# Altium PCB CF_PCB.PcbDoc (part 1 of 2)
Units mil, origin at the board's own origin, x right, y up, seen from the top; angles counter-clockwise.
Board outline 2995 x 2700 mil, 10 copper layers (S1, GND1, S2, GND2, 1V8, SplittedPower, GND3, S3, GND4, S4), stack 61 mil thick; 201 components, 133 nets, 1054 pads, 599 vias.
Unrouted connection lines stored in the file: 125.
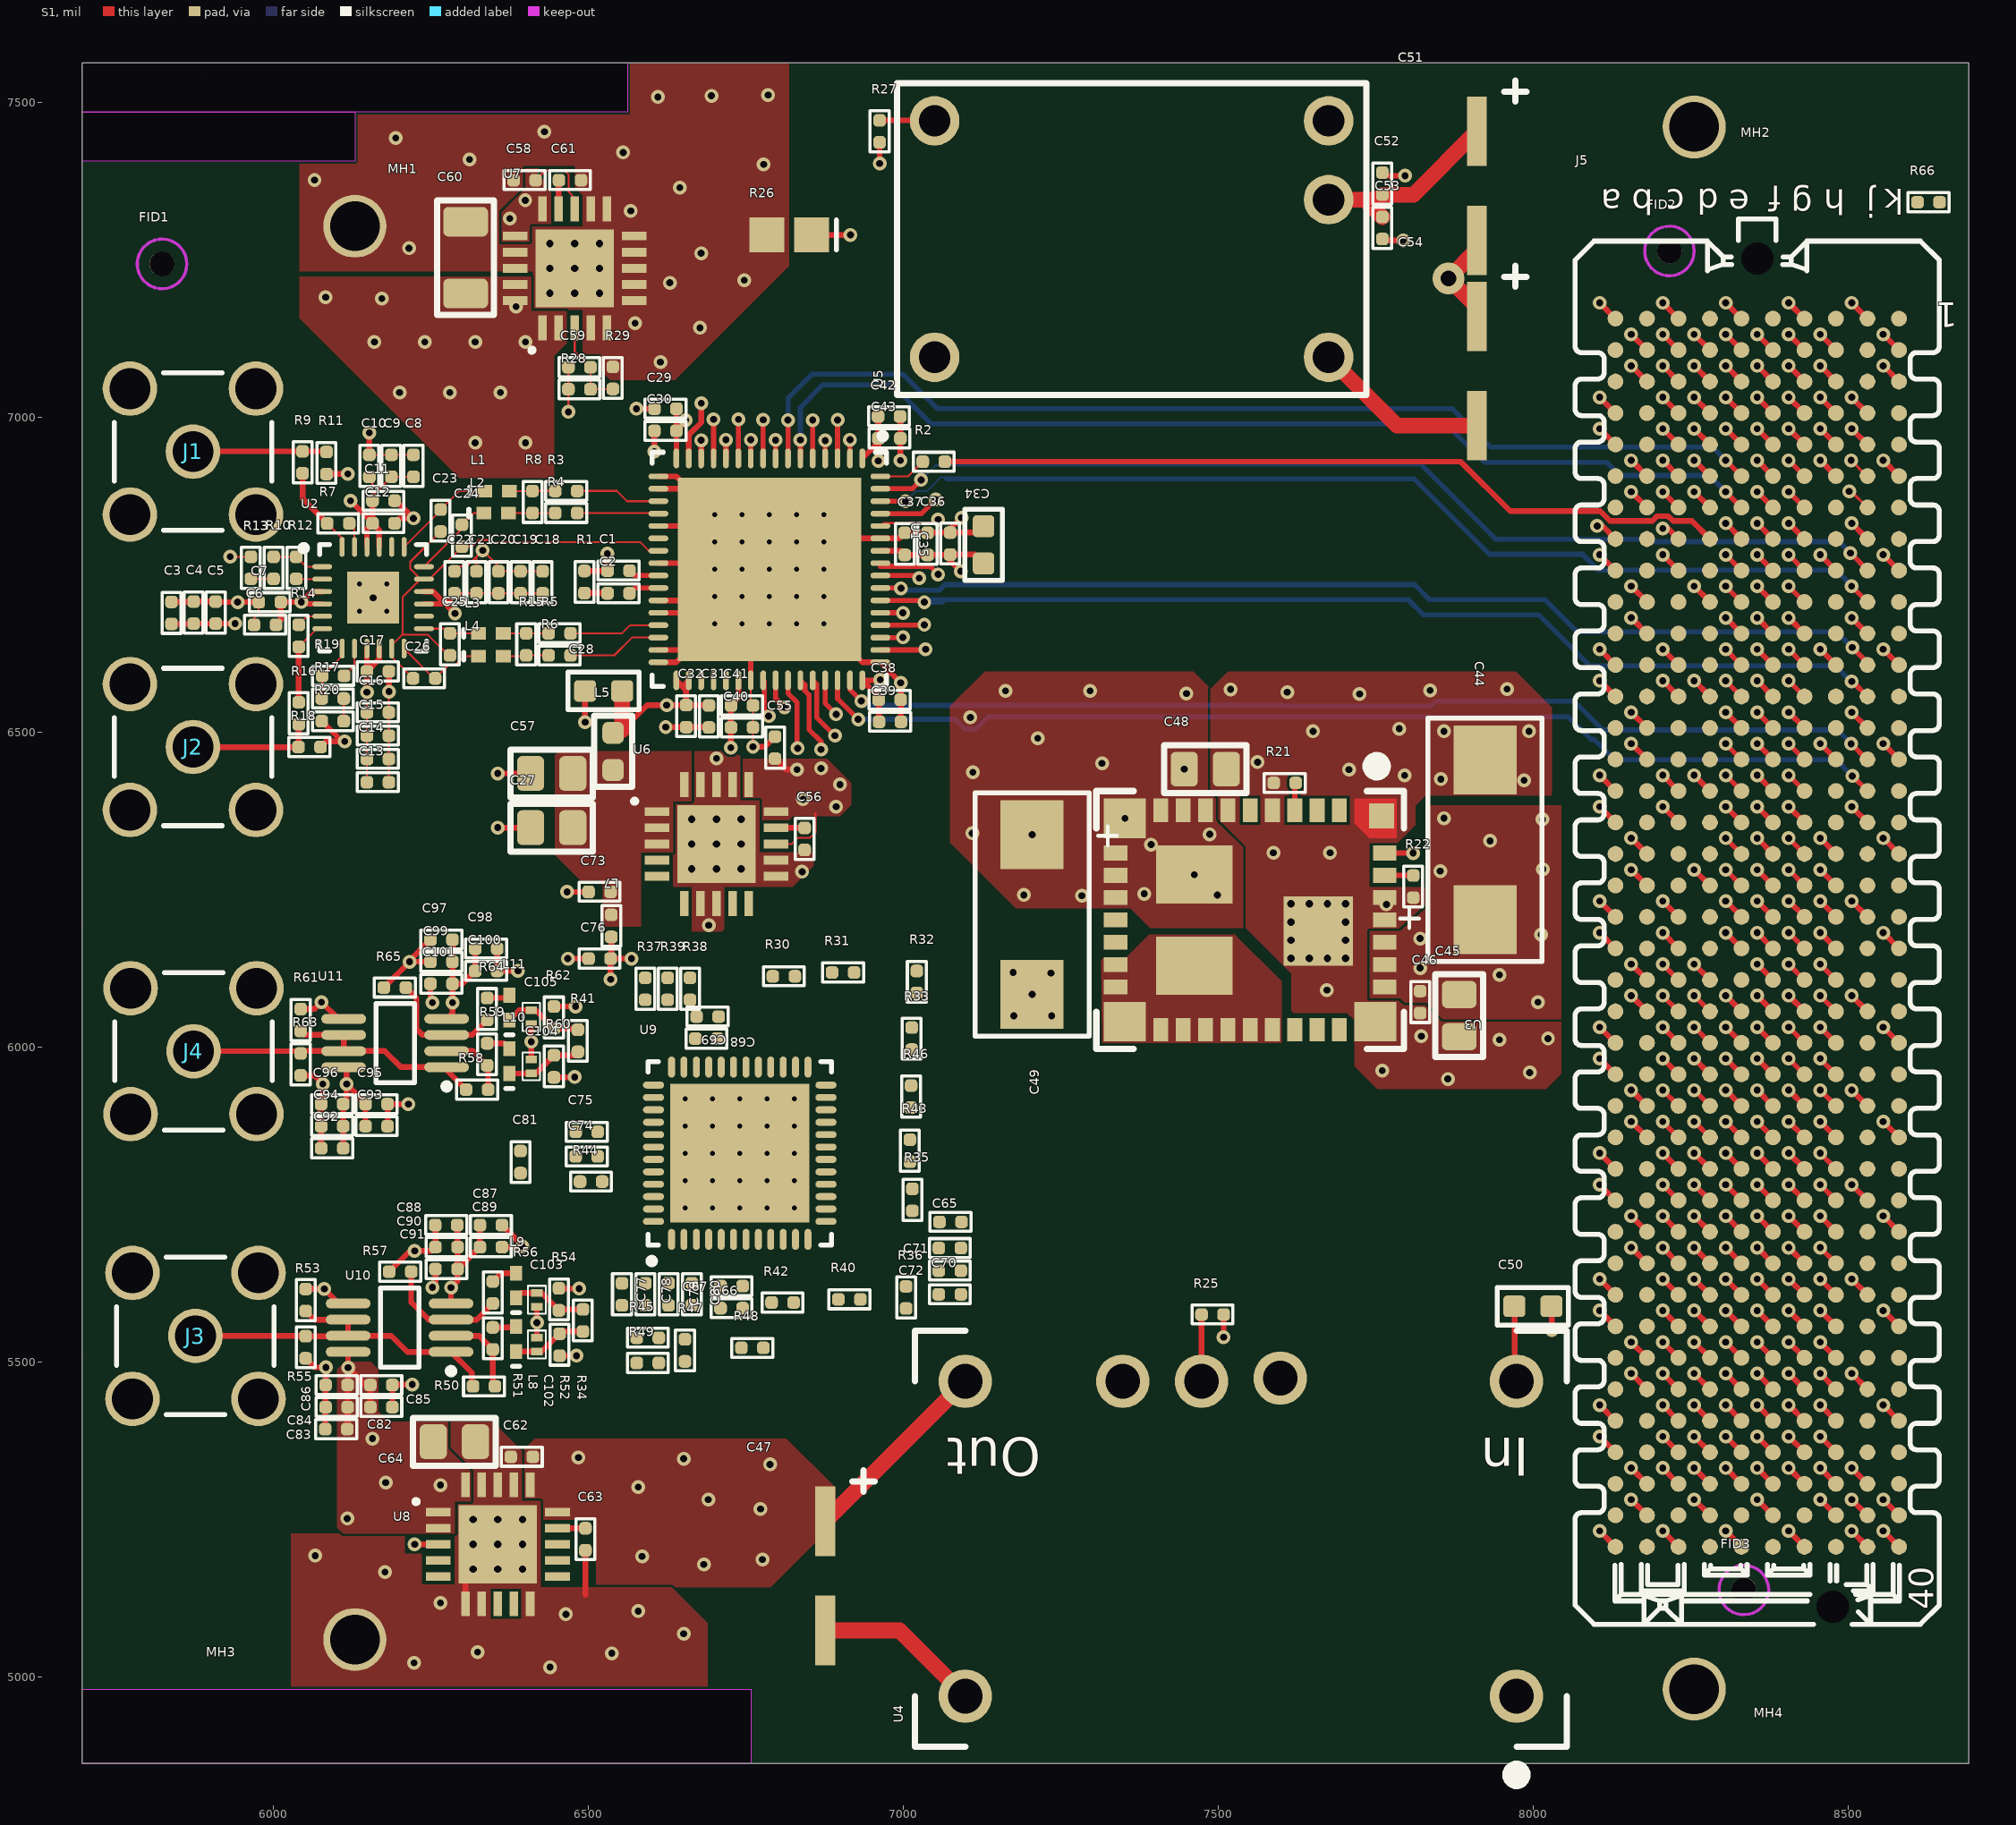
[diagram p0: S1 view]
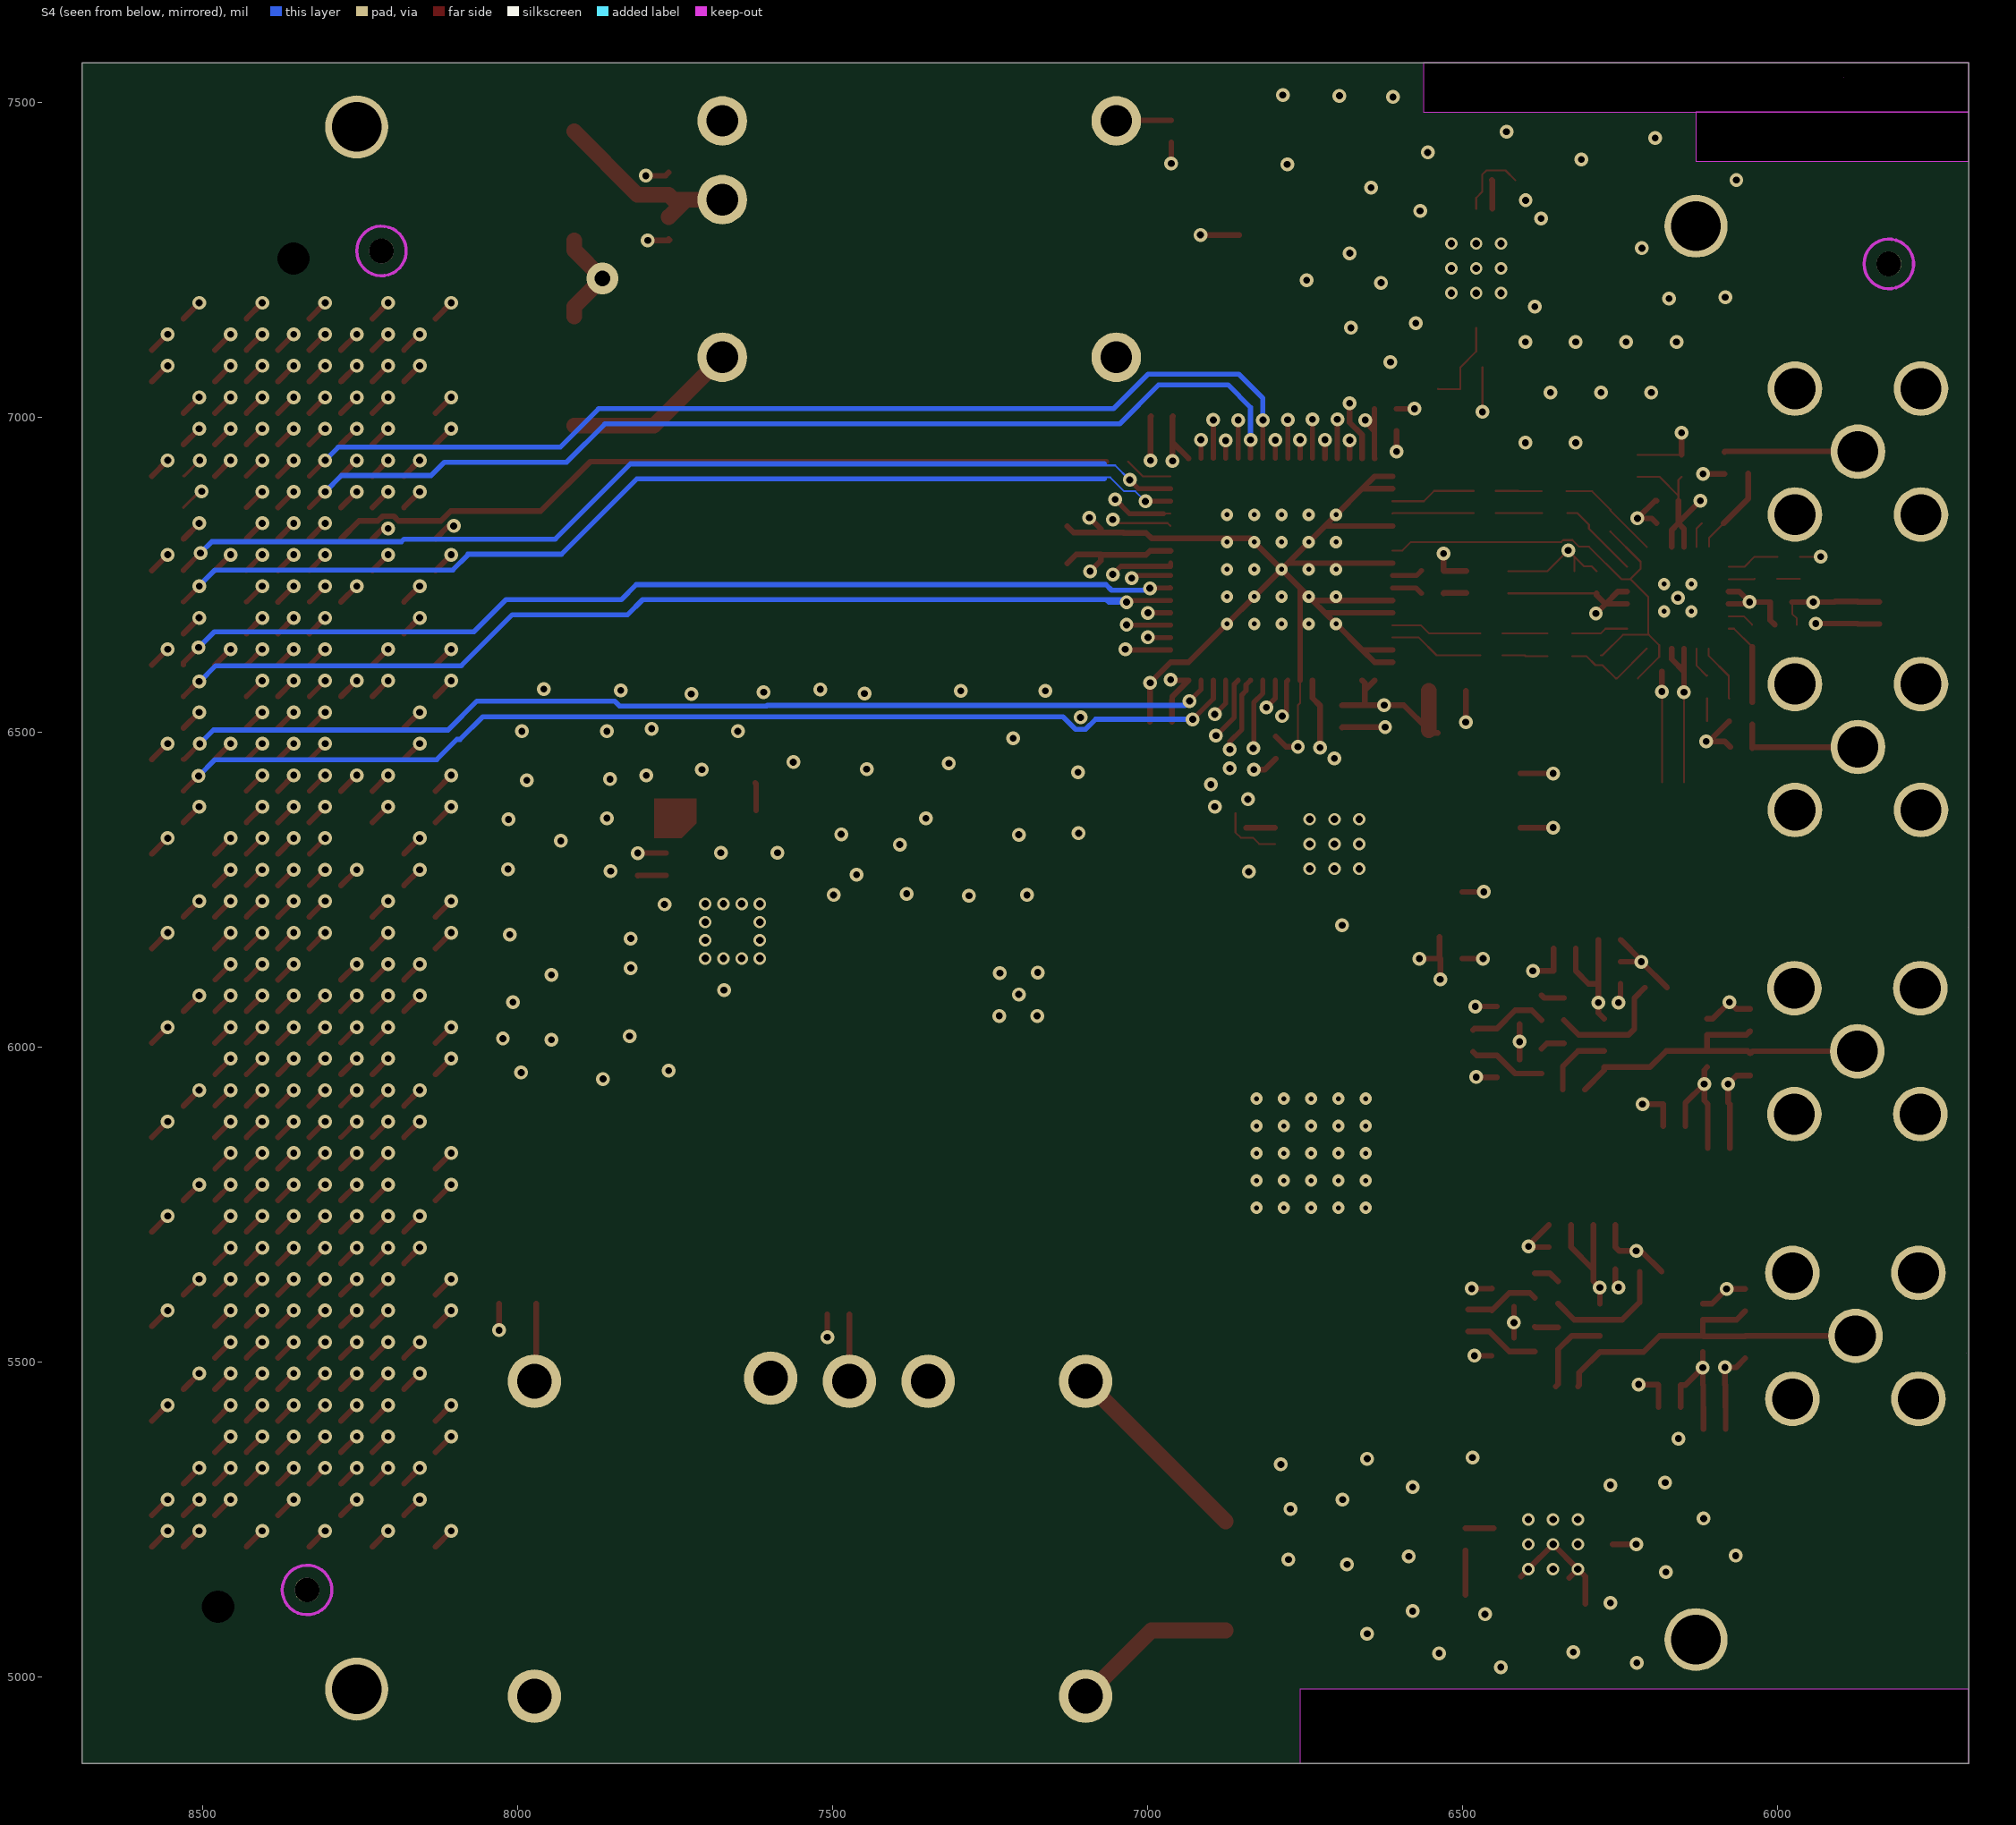
[diagram p1: S4 view, seen from below]
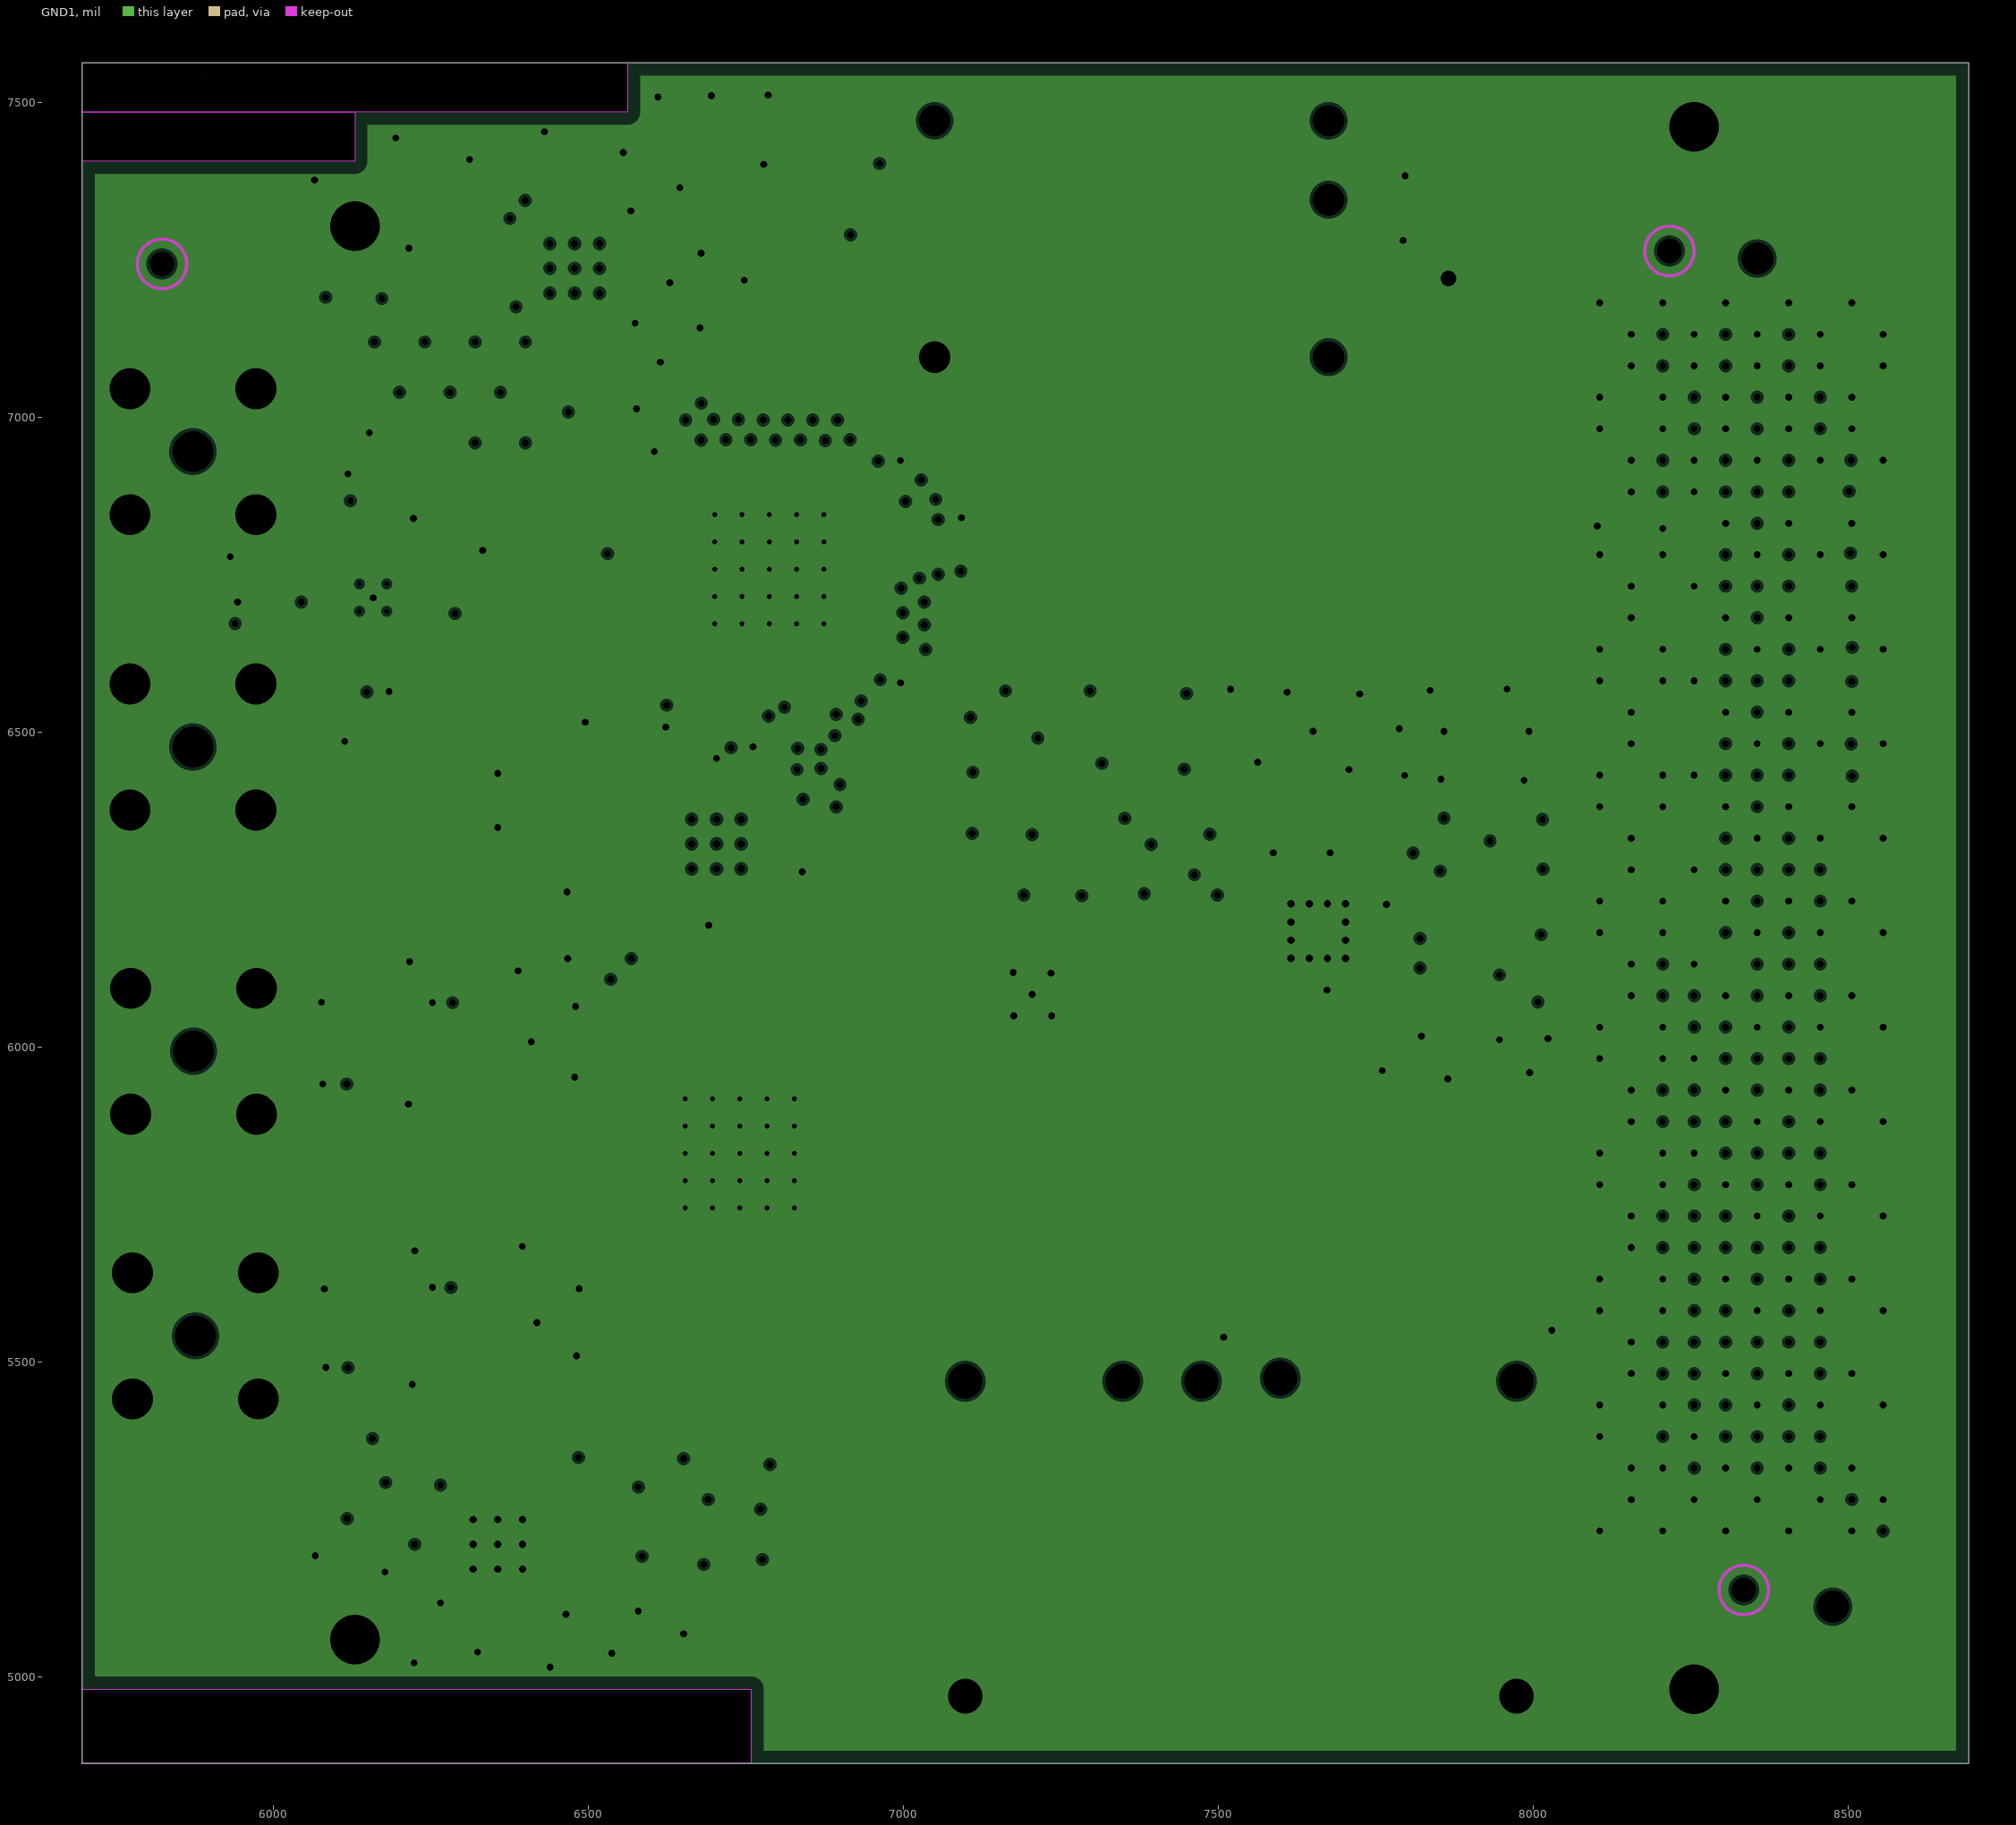
[diagram p2: GND1, clearances drawn from the general rule]
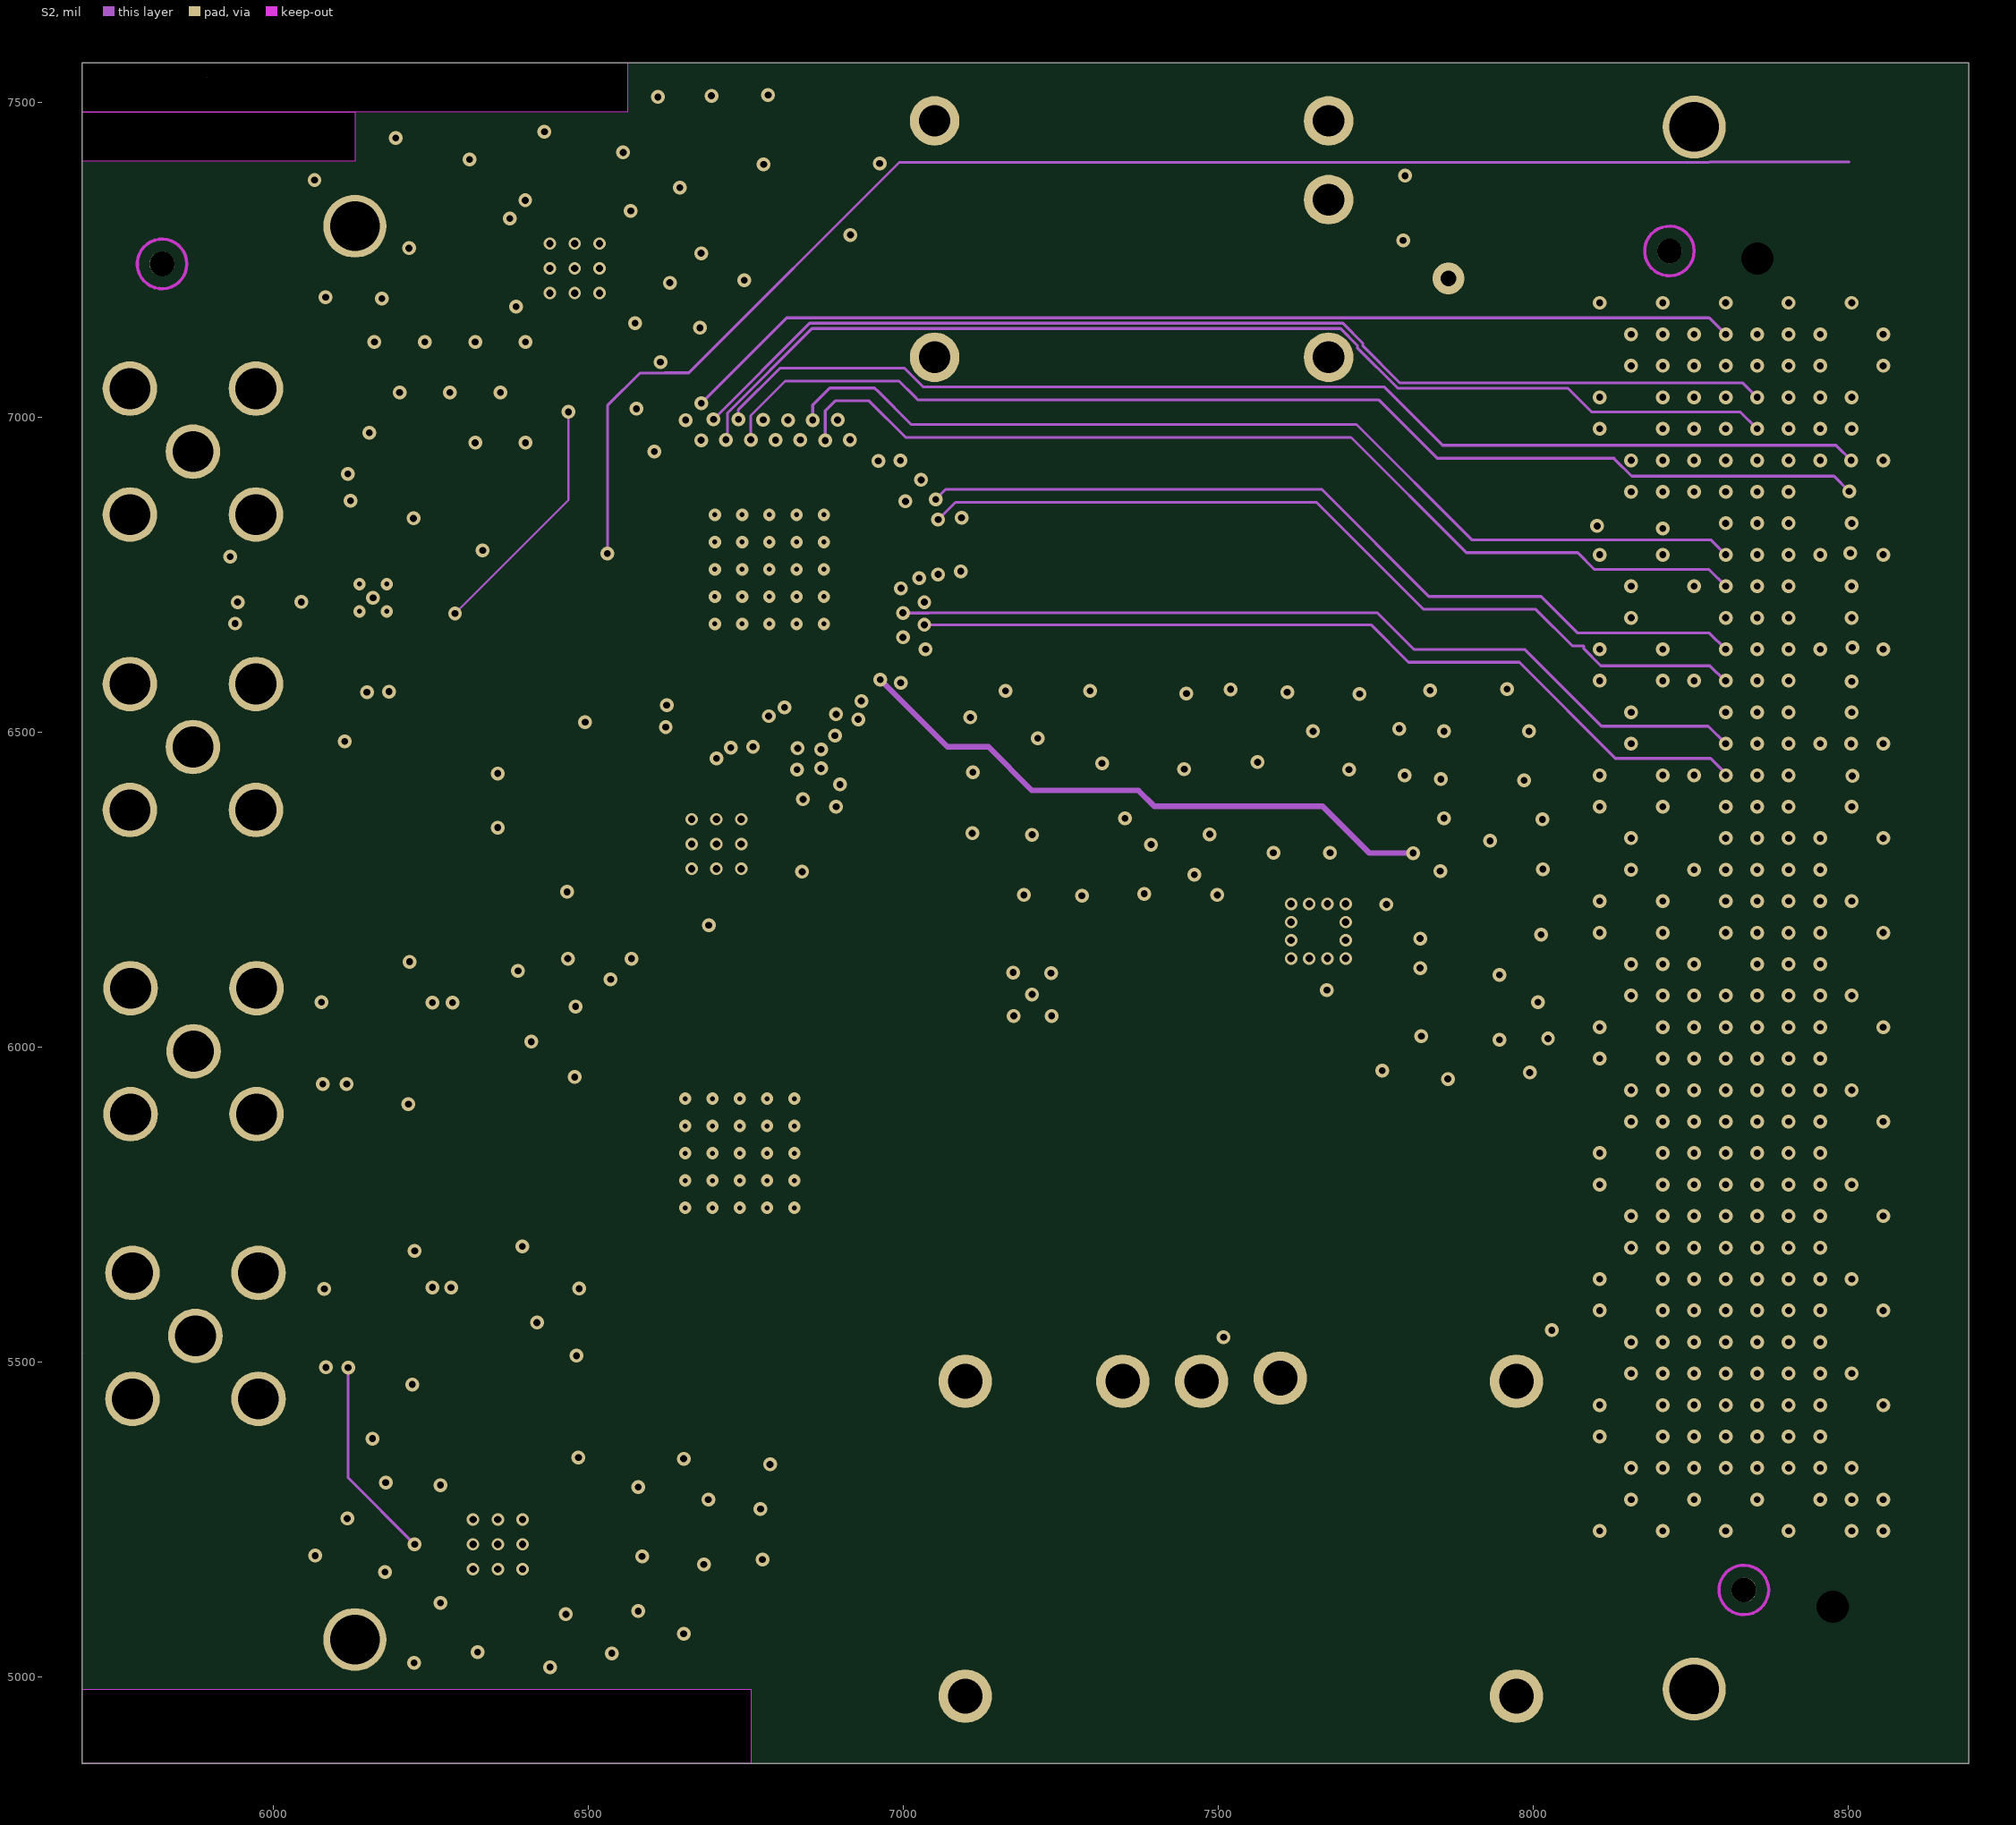
[diagram p3: S2]